# KiCad board SNES_AdvancedFlash_1-2.kicad_pcb (continued)
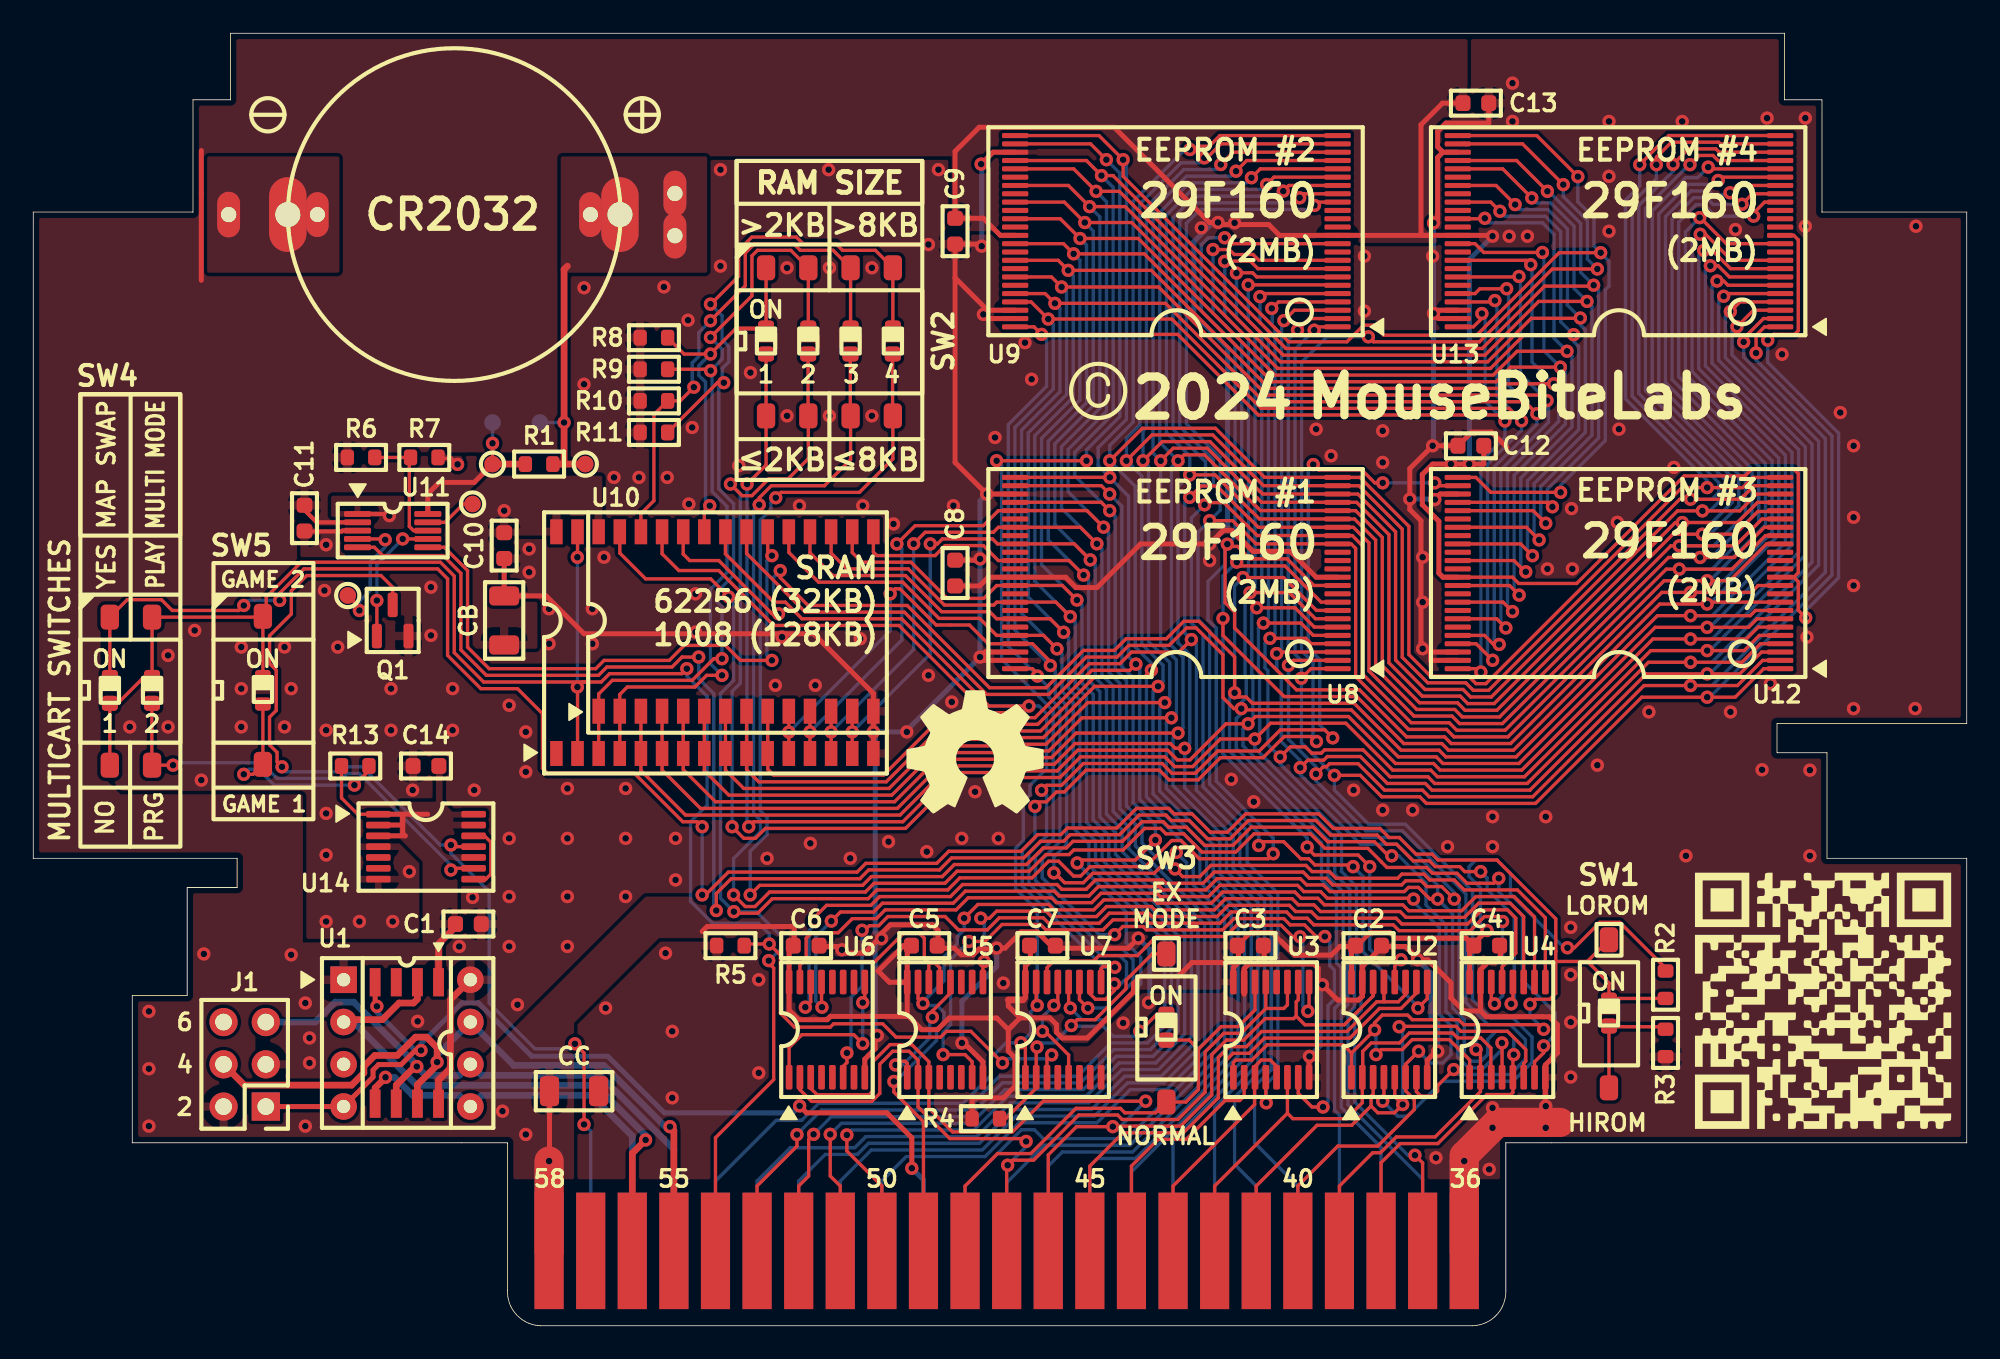
[diagram p0: board, top side]
## Routing (per net, layer and track width the routed paths; a pad name or vN(x,y) marks a point on that pad's centre or on a via; arc(x,y) is an arc through that point) (continued)
/D_{5}: length 165.1
  Top w0.2: 59.01,43.5 61.45,43.5 v1(62.32,42.63) ; v1(47.9,11.51) 47.9,9 48.5,8.4 P1.51 ; U13.40 89.73,64.05 v1(90,63.79) ; U10.19 47.95,46.45 48.9,45.5 52.59,45.5 54.76,43.33 57.72,43.33 57.9,43.5 U8.40 ; U12.40 88.33,43.5 v1(88.9,42.93) ; v1(91.38,56.63) 88.35,56.63 88.08,56.35 74.29,56.35 67.19,63.45 v1(62.2,63.45) 61.6,64.05 U9.40
  Bottom w0.2: v1(88.9,42.93) 88.6,43.23 88.6,51.29 91.68,54.37 91.68,56.33 v1(91.38,56.63) 90.08,57.93 90.08,63.71 v1(90,63.79) ; v1(62.2,63.45) 62.5,63.15 62.5,55.81 60.2,53.51 60.2,44.76 v1(62.32,42.63) 62.62,42.33 62.62,38.47 63.3,37.79 63.3,30.26 64.24,29.32 64.24,28.02 68.8,23.45 68.8,17.7 67.3,16.2 65.1,16.2 63.1,14.2 58.41,14.2 56.37,12.17 48.56,12.17 v1(47.9,11.51)
/D_{6}: length 164.2
  Top w0.2: v1(88.5,41.95) 87.95,42.5 U12.42 ; v1(90.98,55.62) 90.65,55.95 74.12,55.95 67.63,62.45 v1(61.8,62.45) 61.2,63.05 U9.42 ; U8.42 57.9,42.5 57.47,42.92 54.59,42.92 52.42,45.1 48.05,45.1 46.68,46.47 U10.20 ; v1(61.92,41.69) 61.11,42.5 59.01,42.5 ; P1.52 46,8.4 46.6,9 46.6,11.21 v1(46.9,11.51) ; v1(89.29,63.08) 89.26,63.05 U13.42
  Bottom w0.2: v1(88.5,41.95) 88.2,42.25 88.2,51.46 91.07,54.33 91.07,55.53 v1(90.98,55.62) 89.38,57.22 89.38,62.99 v1(89.29,63.08) ; v1(61.8,62.45) 62.1,62.15 62.1,55.98 59.8,53.68 59.8,43.82 v1(61.92,41.69) 62.22,41.39 62.22,38.3 62.9,37.63 62.9,30.09 63.84,29.15 63.84,27.85 68.4,23.29 68.4,17.87 67.13,16.6 64.93,16.6 62.93,14.6 58.24,14.6 56.21,12.57 47.96,12.57 v1(46.9,11.51)
/D_{7}: length 164.1
  Top w0.2: v1(88.55,62.34) 86.94,62.34 86.65,62.05 U13.44 ; U8.44 57.9,41.5 56.88,42.52 54.43,42.52 52.25,44.7 47.2,44.7 45.41,46.49 U10.21 ; U12.44 87.22,41.5 87.76,40.96 v1(88.1,40.96) ; v1(45.9,11.49) 45.9,10.8 43.5,8.4 P1.53 ; 59.01,41.5 60.71,41.5 v1(61.52,40.69) ; U9.44 60.81,62.05 v1(61.4,61.46) 68.05,61.46 73.96,55.55 89.64,55.55 v1(90.37,54.83)
  Bottom w0.2: v1(88.1,40.96) 87.8,41.26 87.8,51.63 90.37,54.19 v1(90.37,54.83) 88.67,56.52 88.67,62.22 v1(88.55,62.34) ; v1(45.9,11.49) 46.2,11.79 46.2,11.8 47.37,12.97 56.04,12.97 58.07,15 62.77,15 64.77,17 66.96,17 68,18.04 68,23.12 63.44,27.68 63.44,28.99 62.5,29.92 62.5,37.46 61.82,38.14 61.82,40.39 v1(61.52,40.69) 59.4,42.82 59.4,53.84 61.7,56.15 61.7,61.16 v1(61.4,61.46)
/FF_{OUT}: length 26.2
  Top w0.2: U14.9 25.2,27.5 v1(25.1,27.4) ; SW4.2 7.12,33.72 SW4.2 v1(8.4,33.7)
  Bottom w0.2: v1(8.4,33.7) 8.55,33.85 13.7,33.85 14.65,32.9 18.55,32.9 18.85,33.2 19.59,33.2 25.1,27.69 v1(25.1,27.4)
/MULTI: length 113.7
  Top w0.2: 60.92,14.92 60.92,16 v1(61.21,16.28) ; 13.8,39.02 SW5.2 13.75,42.6 7.29,42.6 ; U10.2 32.71,38.39 v1(32.7,38.4) 33,38.7 33.25,38.7 ; U10.31 32.71,46.21 v1(32.7,46.2) ; SW4.3 SW4.3 6.63,38.97 5.08,37.42 SW4.1 4.6,34.1 ; 33.25,38.7 34.13,38.7 34.63,39.2 38.98,39.2 v1(39.28,39.5) ; 33.25,38.7 27.07,38.7 25.3,40.47 25.3,45.07 24.47,45.9 16.1,45.9 14,43.8 14,43.35 ; 42.67,22.7 42.92,22.95 v1(44.23,22.95) 44.9,22.28 44.9,18.8 45.75,17.95 47.9,17.95 48.1,18.15 51.05,18.15 51.85,17.35 54.53,17.35 54.88,17.7 56.35,17.7 v1(58.25,15.8)
  Bottom w0.2: v1(32.7,38.4) v1(32.7,46.2) ; v1(39.28,39.5) 39.28,39.06 40.5,37.83 40.5,31.29 39.5,30.29 39.5,25.52 40.82,24.19 43.59,24.19 44.23,23.56 v1(44.23,22.95) ; v1(61.21,16.28) 60.98,16.05 58.5,16.05 v1(58.25,15.8)
/MULTI_{PU}: length 13.7
  Top w0.2: R13.2 20.17,33.38 v1(19.3,32.5) ; RS5.1 SW5.1 13.2,33.15 v1(12.65,33.15)
  Bottom w0.2: v1(19.3,32.5) 14.48,32.5 13.53,33.45 12.95,33.45 v1(12.65,33.15)
/RAM.A_{13}: length 102.6
  Top w0.2: v1(88.08,26.9) 87.78,26.6 86.94,26.6 86.94,26.6 86.16,26.6 85.57,27.2 84.09,27.2 83.74,27.55 81.36,27.55 81.02,27.88 81.02,27.89 80.21,28.7 77.63,28.7 76.76,29.57 73.36,29.57 72.26,28.47 70.24,28.47 69.14,29.57 68.08,29.57 67.75,29.9 66.8,29.9 65.5,28.6 62.53,28.6 62.25,28.33 60.86,28.33 59.86,27.33 55.52,27.33 54.79,26.6 50.54,26.6 50.01,26.07 44.25,26.07 43.38,25.2 42.79,25.2 v1(42.09,25.9) ; v1(43.63,49.35) 43.63,49.77 44.36,50.5 47.55,50.5 49.12,52.07 SW2.3 49.1,54.71 SW2.3 ; v1(90.78,16.83) 90.78,16.41 90.22,15.86 U4.7
  Bottom w0.2: 43.29,49.01 43.29,30.8 43.7,30.39 43.7,29.7 42.09,28.09 v1(42.09,25.9) ; 43.29,49.01 43.6,49.32 ; 43.29,49.01 43.63,49.35 v1(43.63,49.35) ; v1(90.78,16.83) 91.47,17.52 91.47,18.8 89.5,20.78 89.5,24.67 88.08,26.09 v1(88.08,26.9)
/RAM.A_{14}: length 101.2
  Top w0.2: v1(43.09,25.9) 43.66,26.47 49.84,26.47 50.37,27 54.63,27 55.35,27.72 59.69,27.72 60.69,28.72 62.09,28.72 62.49,29.12 65.45,29.12 66.63,30.3 67.91,30.3 68.24,29.97 69.31,29.97 70.41,28.87 72.1,28.87 73.19,29.97 76.92,29.97 77.79,29.1 80.6,29.1 81.45,28.25 v1(81.64,28.25) ; v1(44.62,49.78) 44.95,50.1 49.65,50.1 51.66,52.11 SW2.4 51.64,54.71 SW2.4 ; v1(88.27,17) 88.28,16.99 U4.4
  Bottom w0.2: v1(81.64,28.25) 82.07,28.25 83.7,26.62 83.7,25.3 84.9,24.1 84.9,18.9 85.6,18.2 85.6,16.16 86.25,15.5 87.17,15.5 88.27,16.6 v1(88.27,17) ; v1(44.62,49.78) 44.33,49.48 44.33,49.06 43.69,48.43 43.69,30.97 44.1,30.56 44.1,29.53 43.09,28.52 v1(43.09,25.9)
/RAM.~{CE}: length 104
  Top w0.2: v1(86.99,27.3) 86.03,27.3 85.73,27.6 84.25,27.6 83.9,27.95 82.93,27.95 81.93,28.95 81.32,28.95 80.77,29.5 77.96,29.5 77.09,30.37 73.03,30.37 71.93,29.27 70.57,29.27 69.48,30.37 68.41,30.37 68.08,30.7 66.47,30.7 65.29,29.52 62.32,29.52 61.92,29.12 60.53,29.12 59.53,28.12 55.19,28.12 54.46,27.4 50.2,27.4 49.68,26.87 41.94,26.87 41.05,25.98 v1(41.05,24.96) ; v1(88.82,19.35) 88.92,19.46 U4.12 ; U11.5 20.5,46.8 21,46.3 24.63,46.3 25.7,45.23 25.7,40.63 27.23,39.1 33.97,39.1 34.47,39.6 38.39,39.6 38.99,40.2 v1(39.99,40.2)
  Bottom w0.2: v1(41.05,24.96) 40.9,25.11 40.9,38 39.99,38.91 v1(39.99,40.2) ; v1(88.82,19.35) 89.01,19.54 89.01,24.59 87.38,26.22 87.38,26.91 v1(86.99,27.3)
/RAM.~{CE}_{HI}: length 55.5
  Top w0.2: v1(48.9,16.4) 48.9,15.82 48.67,15.59 48.67,14.92 ; U4.13 88.28,21.58 89.1,22.4 89.1,24.5 88.6,25 87.05,25 86.2,24.15 82.25,24.15 81.9,24.5 77.2,24.5 76.8,24.9 75.87,24.9 75.49,25.27 71.82,25.27 71.15,24.6 67.23,24.6 67.03,24.8 64.67,24.8 64.07,24.2 61.02,24.2 60.7,24.52 58.06,24.52 57.33,23.8 55.6,23.8 54.8,24.6 51.36,24.6 50.81,24.05 50.25,24.05 49.97,23.77 v1(49.81,23.77)
  Bottom w0.2: v1(49.81,23.77) 49.81,20.41 49.15,19.75 49.15,16.65 v1(48.9,16.4)
/RAM.~{CE}_{LO}: length 51
  Top w0.2: v1(54.68,16.3) 56,16.3 56.42,15.88 56.42,14.92 ; v1(87.82,19.35) 87.62,19.54 U4.14 ; v1(56.23,23.1) 57.2,23.1 58.22,24.12 60.53,24.12 60.86,23.8 64.29,23.8 64.89,24.4 66.87,24.4 67.07,24.2 71.32,24.2 71.99,24.88 75.32,24.88 75.7,24.5 76.57,24.5 76.97,24.1 81.73,24.1 82.08,23.75 86.37,23.75 87.22,24.6 88.01,24.6 v1(88.31,24.3)
  Bottom w0.2: v1(56.23,23.1) 55.13,22.01 55.13,18.09 54.68,17.64 v1(54.68,16.3) ; v1(88.31,24.3) 88.31,19.84 v1(87.82,19.35)
/RAM/A_{11SW}: length 23.9
  Top w0.2: v1(40.66,49.3) 40.33,48.97 U10.25 ; SW2.8 42.25,59.97 42.2,59.93 ; SW2.8 SW2.8 ; SW2.8 43.99,59.93 42.2,59.93 ; 42.2,59.93 40.7,58.43 v1(40.7,58.42) 39.11,58.42 R8.2 38.07,59.4
  Bottom w0.2: v1(40.66,49.3) 40.4,49.55 40.4,56.73 40,57.13 40,57.72 v1(40.7,58.42)
/RAM/A_{12SW}: length 48.4
  Top w0.2: U10.4 U10.4 35.25,37.95 35.7,38.4 39.77,38.4 40.47,39.1 v1(41.39,39.1) ; SW2.7 SW2.7 45.53,64.65 43.52,64.65 43.19,64.32 43.19,61.92 40.7,59.43 v1(40.7,59.42) ; v1(40.71,57.42) 40.62,57.5 38.07,57.5
  Bottom w0.2: v1(41.39,39.1) 40.69,39.8 40.69,44.28 41.69,45.28 41.69,49.25 40.8,50.14 40.8,57.32 v1(40.71,57.42) 41.4,58.11 41.4,58.71 40.7,59.41 v1(40.7,59.42)
/RAM/A_{13SW}: length 30.7
  Top w0.2: v1(39.7,56.42) 38.88,55.6 R10.2 37.3,54.77 37.3,49.6 36.52,48.82 U10.28 ; v1(40.7,60.42) 40.7,60.43 42.79,62.52 42.79,64.49 43.35,65.05 45.7,65.05 46.1,64.65 48.07,64.65 SW2.6 SW2.6
  Bottom w0.2: v1(39.7,56.42) 39.6,56.52 39.6,57.88 40,58.28 40,59.71 40.7,60.41 v1(40.7,60.42)
/RAM/A_{14SW}: length 57.5
  Top w0.2: v1(40.7,61.42) 40.88,61.6 40.9,61.6 42.39,63.09 42.39,64.65 43.19,65.45 45.86,65.45 46.26,65.05 48.24,65.05 48.64,64.65 50.61,64.65 SW2.5 SW2.5 ; v1(41.5,56.69) 41.12,56.69 R11.2 38.07,53.7 ; U10.3 U10.3 33.98,37.98 34.8,38.8 39.6,38.8 40.9,40.1 v1(41.39,40.1)
  Bottom w0.2: v1(41.39,40.1) 41.39,43.23 41.09,43.53 41.09,44.11 42.09,45.11 42.09,49.42 41.2,50.31 41.2,56.39 v1(41.5,56.69) 41.41,56.78 41.41,57.55 41.8,57.94 41.8,58.87 41.4,59.27 41.4,60.72 v1(40.7,61.42)
/RAM/RAM.~{CE}_{G}: length 35.4
  Top w0.2: U10.22 44.14,46.55 v1(44.39,46.29) ; U11.6 24.7,46.8 26.1,45.4 26.1,40.8 27.4,39.5 33.8,39.5 34.3,40 38.22,40 39.12,40.9 41.6,40.9 42.5,40 v1(44.39,40)
  Bottom w0.2: v1(44.39,46.29) 44.09,45.99 44.09,40.3 v1(44.39,40)
/ROM.BA_{7}: length 22.4
  Top w0.2: 58.32,12.45 58.44,12.45 60.28,14.28 60.28,16.7 v1(60.32,16.75) ; v1(66.5,17.7) 67.53,18.72 68.1,18.72 ; v1(62.39,18.05) 62.74,18.4 63.81,18.4 65.67,20.26 65.67,20.77 67.25,22.35 SW3.2
  Bottom w0.2: v1(66.5,17.7) 66.2,17.4 64.9,17.4 64.3,18 62.44,18 v1(62.39,18.05) ; 62.65,18 62.6,18.05 v1(62.39,18.05) ; v1(62.39,18.05) 61.34,17 60.57,17 v1(60.32,16.75)
/ROM.~{OE}: length 154.3
  Top w0.2: v1(68.62,27.46) 69.07,27 70.1,27 70.78,27.67 76.48,27.67 76.86,27.3 77.9,27.3 78.3,26.9 82,26.9 82.25,27.15 83.57,27.15 83.92,26.8 85.4,26.8 86,26.2 89.2,26.2 90.88,24.52 U4.9 ; U12.28 91.03,49.5 v1(91.3,49.23) ; v1(64.69,49) 64.19,49.5 59.01,49.5 ; v1(91,68.2) 89.15,70.05 U13.28 ; v1(93.78,62.55) 93.72,62.5 90.83,62.5 87.08,58.75 75.28,58.75 74.9,59.13 64.9,69.13 64.9,69.14 v1(64.2,69.14) 63.29,70.05 U9.28
  Bottom w0.2: v1(91,68.2) 91.07,68.2 93,66.27 93,63.33 v1(93.78,62.55) 94.08,62.25 94.08,53.38 91,50.3 91,49.53 v1(91.3,49.23) ; v1(68.62,27.46) 68.19,27.46 66.64,29.01 66.64,30.31 65.7,31.25 65.7,38.79 65.02,39.46 65.02,48.66 v1(64.69,49) 62.6,51.09 62.6,52.52 64.9,54.82 64.9,68.44 v1(64.2,69.14)
/ROM/~{CE1}: length 49
  Top w0.2: 59.01,50.5 64.19,50.5 v1(64.69,50) ; v1(62.74,27.82) 62.92,28 66.24,28 v1(67.44,29.2) ; 62.22,20.65 62.22,19.2 v1(62.33,19.1)
  Bottom w0.2: v1(67.44,29.2) 67.44,30.11 66.1,31.45 66.1,38.95 65.42,39.63 65.42,49.27 v1(64.69,50) ; v1(62.33,19.1) 63.03,18.4 64.4,18.4 66.56,20.56 66.56,22.14 65.69,23.01 65.69,24.87 v1(62.74,27.82)
/ROM/~{CE2}: length 71.9
  Top w0.2: v1(63.38,19.1) 62.88,19.6 62.88,20.65 ; U9.26 63.54,71.05 v1(64.49,70.1) ; v1(57.9,52) v1(63.3,52)
  Bottom w0.2: v1(63.38,19.1) 64.51,19.1 66.1,20.69 66.1,22.01 65.46,22.65 64.36,22.65 60.24,26.77 60.24,28.21 61.3,29.27 61.3,36.96 58.2,40.07 58.2,51.7 v1(57.9,52) ; v1(63.3,52) 63.3,52.65 65.3,54.66 65.3,69.29 v1(64.49,70.1)
/ROM/~{CE3}: length 64.8
  Top w0.2: 63.53,20.65 63.53,19.94 63.84,19.62 64.44,19.62 64.97,20.16 v1(64.97,20.55) ; v1(60.6,32.19) 60.9,32.49 61.8,32.49 63.11,33.8 67.84,33.8 68.43,33.21 69.85,33.21 71.18,34.55 73.68,34.55 74.95,35.82 77.62,35.82 v1(78.1,35.34) ; v1(76.93,51.77) 77.25,51.45 79.85,51.45 80.63,50.67 v1(81.1,50.67) ; v1(84.23,50.67) 84.4,50.5 U12.26
  Bottom w0.2: v1(78.1,35.34) 77.31,36.12 77.31,40.05 76.63,40.74 76.63,51.47 v1(76.93,51.77) ; v1(60.6,32.19) 60.9,31.89 60.9,29.44 59.84,28.37 59.84,26.6 64.19,22.25 65.29,22.25 65.7,21.84 65.7,20.9 65.35,20.55 v1(64.97,20.55) ; v1(81.1,50.67) v1(84.23,50.67)
/ROM/~{CE4}: length 90.7
  Top w0.2: v1(91.95,68.6) 89.5,71.05 U13.26 ; v1(80.24,59.45) 80.54,59.15 86.92,59.15 91.29,63.53 v1(94,63.53) ; v1(77.12,35.12) 76.82,35.42 75.18,35.42 73.91,34.15 71.35,34.15 70.01,32.81 68.26,32.81 67.68,33.4 63.27,33.4 61.96,32.09 61.49,32.09 60.89,31.49 60.31,31.49 60.2,31.38 v1(60.2,31.22) ; 86.1,71 86,71.1 ; v1(65,21.55) 64.85,21.55 64.8,21.6 64.3,21.6 64.17,21.47 64.17,20.65
  Bottom w0.2: v1(77.12,35.12) 76.91,35.33 76.91,39.89 76.23,40.57 76.23,57.93 77.75,59.45 v1(80.24,59.45) ; v1(94,63.53) 93.4,64.13 93.4,66.43 91.95,67.88 v1(91.95,68.6) ; v1(65,21.55) 64.32,21.55 59.44,26.44 59.44,28.54 60.2,29.3 v1(60.2,31.22)
/SW_{HL}: length 164
  Top w0.2: v1(40.2,25.9) 40.4,25.9 41.77,27.27 49.51,27.27 50.04,27.8 54.3,27.8 55.02,28.52 59.36,28.52 60.36,29.52 61.76,29.52 62.15,29.92 65.12,29.92 66.3,31.1 68.24,31.1 68.57,30.77 69.64,30.77 70.74,29.67 71.77,29.67 72.86,30.77 77.25,30.77 78.13,29.9 80.93,29.9 81.48,29.35 82.1,29.35 83.1,28.35 84.07,28.35 84.42,28 87.97,28 91.5,24.46 91.5,22.5 91.5,22.5 91.5,21.9 ; v1(14.81,43.6) 14.81,44.04 16.27,45.5 24.3,45.5 24.9,44.9 24.9,40.3 26.9,38.3 29.1,38.3 30.6,36.8 30.6,33.52 30.92,33.2 36.13,33.2 39.03,30.3 39.9,30.3 v1(40.2,30) ; 98,19.67 94.7,19.67 94.6,19.58 ; 91.5,21.9 93.4,21.9 ; 91.5,21.9 91.5,19.98 91.14,19.62 90.25,19.62 v1(89.96,19.33) ; 79.22,16.39 U2.1 ; 79.22,16.39 80.61,17.78 v1(80.61,17.79) 80.61,18.21 81.07,18.67 82.6,18.67 82.87,18.4 85.66,18.4 85.96,18.1 90.5,18.1 v1(90.77,17.83) ; 79.22,16.39 78.73,16.89 74.16,16.89 73.24,15.97 72.28,15.97 72.12,15.83 U3.1 ; v1(80.7,16.3) 81,16.6 82.27,16.6 82.87,17.2 85.1,17.2 86.32,15.97 U4.1 ; 93.4,21.9 94.7,20.6 94.7,19.72 94.6,19.62 ; 93.4,21.9 94.6,23.1 94.6,23.2 ; 4.75,42.45 4.75,42.6 ; v1(12.65,43.3) 12.35,43 8.35,43 7.7,43.65 5.65,43.65 SW4.4 4.6,39.02
  Bottom w0.2: v1(14.81,43.6) 12.95,43.6 v1(12.65,43.3) ; v1(80.61,17.79) 80.7,17.7 v1(80.7,16.3) ; v1(90.77,17.83) 89.96,18.64 v1(89.96,19.33) ; v1(40.2,25.9) v1(40.2,30)
/SW_{PD}: length 7.1
  Top w0.2: 94.6,14.3 94.7,14.4 RS1.2 97.85,17.97 98,17.83
/~{IRQ}: length 58.3
  Top w0.3: J1.1 18.64,13.17 U1B1.4 20.42,14.95 20.42,15.37 20.75,15.7 22.11,15.7 22.96,16.55 v1(23.3,16.55) ; v1(52.8,9.47) 52.8,11.3 51.3,12.8 46.47,12.8 v1(46.06,13.21) ; v1(20.65,19.2) 20.54,19.31 U1A1.4
  Bottom w0.3: v1(20.65,19.2) 20.65,18.85 23.13,16.37 v1(23.3,16.55) 23.3,16.95 25.76,19.41 26.75,19.41 29.96,16.2 34.53,16.2 37.93,12.8 45.64,12.8 v1(46.06,13.21) ; P1.18 53.5,8.77 v1(52.8,9.47)
/~{RD}: length 76.3
  Top w0.2: v1(59.84,37.26) 57.44,37.26 52.19,42.5 46.2,42.5 45.2,43.5 44.5,43.5 41.6,46.4 U10.24 ; 59.62,14.92 59.62,16.74 v1(59.36,17.01) ; 60.28,20.65 60.28,19.32 v1(60.34,19.26)
  Bottom w0.2: v1(59.84,37.26) 60.44,37.26 60.9,36.8 60.9,33.48 59.9,32.48 59.9,31.91 59.5,31.51 59.5,29.17 59.04,28.7 59.04,26.27 60.34,24.97 v1(60.34,19.26) 59.95,18.87 59.95,17.6 v1(59.36,17.01) 58.47,17.01 57.55,16.09 57.55,15.04 55.88,13.37 47.2,13.37 46.18,12.35 44.65,12.35 41,8.7 P1.23
/~{RESET}: length 63.1
  Top w0.2: U14.11 25.2,28.8 v1(25.1,28.9) ; v1(14.95,33.6) 14.65,33.9 14.65,34.47 14.2,34.92 14.2,36.59 14.6,36.99 14.6,39.41 14.2,39.81 14.2,41.48 15.51,42.79 15.51,44.18 16.43,45.1 20.9,45.1 21.6,44.4 Q1.3 ; v1(33.1,12.1) 33.1,16.4 v1(32.55,16.95)
  Bottom w0.2: v1(14.95,33.6) 14.95,33.55 15.2,33.3 18.38,33.3 18.68,33.6 19.76,33.6 24.46,28.9 v1(25.1,28.9) 25.1,28.4 27.4,26.1 27.4,19.39 30.14,16.65 32.25,16.65 v1(32.55,16.95) ; v1(33.1,12.1) 33.5,11.7 P1.26
/~{ROMSEL}: length 66.2
  Top w0.2: v1(53.47,19.37) 53.17,19.66 53.17,20.65 ; U4.10 90.22,24.58 89,25.8 86.7,25.8 85.85,24.95 82.66,24.95 82.31,25.3 77.6,25.3 77.2,25.7 76.2,25.7 75.82,26.08 71.47,26.08 70.8,25.4 67.56,25.4 67.36,25.6 64.34,25.6 63.74,25 61.35,25 61.03,25.33 56.77,25.33 v1(55.95,24.5) ; P1.49 53.5,12.27 51.72,14.05 v1(51.72,14.68)
  Bottom w0.2: 53.47,19.47 53.47,19.25 54.32,19.25 54.73,18.84 54.73,18.26 54.28,17.81 54.28,17.15 51.9,14.77 51.81,14.77 v1(51.72,14.68) ; 53.47,19.47 v1(53.47,19.37) ; 53.47,19.47 54.73,20.73 54.73,22.17 55.53,22.97 55.53,23.39 55.94,23.8 55.95,23.8 v1(55.95,24.5)
/~{ROMSEL}_{LO}: length 42.7
  Top w0.2: U4.11 89.57,24.59 88.77,25.4 86.87,25.4 86.02,24.55 82.5,24.55 82.15,24.9 77.37,24.9 76.97,25.3 76.03,25.3 75.66,25.67 71.66,25.67 70.98,25 67.4,25 67.2,25.2 64.5,25.2 63.9,24.6 61.19,24.6 60.86,24.92 57.89,24.92 57.47,24.5 v1(56.95,24.5) ; v1(57.15,21.9) 57.07,21.83 57.07,20.65
  Bottom w0.2: v1(56.95,24.5) 57.05,24.5 57.15,24.4 v1(57.15,21.9)
/~{WR}: length 222.9
  Top w0.2: U10.29 35.25,46.45 36.8,44.9 40.71,44.9 v1(41.79,43.82) ; U9.11 72.1,65.05 71.74,65.41 v1(71.61,65.41) 71.4,65.61 ; v1(100.15,66.62) 100.18,66.62 101.75,65.05 U13.11 ; 78.39,44.5 76.96,44.5 75.36,46.1 73.12,46.1 72.37,46.85 71.9,46.85 v1(71.76,46.99) 71.63,46.85 71.63,43.47 72.2,42.9 72.2,41.95 75.92,38.23 79.71,38.23 82.53,35.4 84.82,35.4 85.22,35 88.79,35 97.88,44.09 103.25,44.09 103.66,44.5 U12.11 ; v1(74.52,28.37) 74.22,28.07 70.08,28.07 68.98,29.17 68.42,29.17 66.85,27.6 63.51,27.6 62.94,27.03 62.52,27.03 61.63,27.92 61.03,27.92 60.03,26.92 55.69,26.92 54.96,26.2 50.7,26.2 50.17,25.67 44.42,25.67 43.54,24.8 42.2,24.8 v1(42.1,24.89) ; v1(44.2,21.95) 44.4,21.75 44.4,21.6 44.5,21.5 44.5,14.8 41,11.3 P1.54
  Bottom w0.2: v1(74.52,28.37) 74.52,29.31 71.1,32.73 71.1,41.93 70.6,42.43 70.6,44.74 71.63,45.77 71.63,46.85 v1(71.76,46.99) 72.23,47.45 72.23,58.98 70.2,61.01 70.2,64.99 70.62,65.41 v1(71.61,65.41) ; v1(41.79,43.82) 42.09,43.52 42.09,38.79 41.3,38 41.3,25.7 v1(42.1,24.89) 43.46,24.89 44.93,23.42 44.93,22.66 44.22,21.95 v1(44.2,21.95) ; v1(100.15,66.62) 99.29,65.76 99.29,57.21 104.5,52 104.5,47.7 101.3,44.5 101.3,44.5 100.89,44.09 v1(99.6,44.09)
Net-(B1-+): length 18.3
  Top w0.4: TP1.1 31.38,51.8 31.9,51.8 v1(31.9,54.3) 31.9,63.5 32.1,63.7
  Bottom w0.2: B1.1 B1.1 ; TP3.1 v1(31.9,54.3)
Net-(Q1-G): length 8
  Top w0.2: v1(20.65,43.6) Q1.1 ; v1(22.2,47.3) U11.7
  Bottom w0.2: v1(22.2,47.3) 20.65,45.75 v1(20.65,43.6)
Net-(U5A-E): length 8.3
  Top w0.2: v1(54.03,18.55) 54.03,18.92 55.12,20.01 55.12,20.65 ; v1(51.82,15.68) 52.04,15.9 52.4,15.9 52.53,15.77 U5.1 52.53,14.92
  Bottom w0.2: v1(51.82,15.68) 52.25,15.68 53.88,17.31 53.88,18.4 v1(54.03,18.55)
Net-(U6A-E): length 10.5
  Top w0.2: v1(49.85,16.96) 49.31,17.5 46.2,17.5 45.42,16.72 45.42,14.92 ; v1(49.85,19.42) 49.97,19.55 49.97,20.65
  Bottom w0.2: v1(49.85,19.42) v1(49.85,16.96)
Net-(U7A-O1): length 6.8
  Top w0.2: 61.57,20.65 61.57,19.49 v1(61.34,19.26) ; v1(60.65,17.7) 60.8,17.7 62.22,16.27 62.22,14.92
  Bottom w0.2: v1(61.34,19.26) 60.65,18.57 v1(60.65,17.7)
Net-(U11-SENSE): length 7.5
  Top w0.2: 20.47,52.15 R6.2 22.6,52.2 22.6,48.05 22.85,47.8 U11.8
Net-(U11-~{MR}): length 7.8
  Top w0.2: U11.4 21.1,47.3 v1(21.15,47.25) ; v1(19.6,43) 19.6,43.2 TP5.1
  Bottom w0.2: v1(19.6,43) 19.6,43.55 20.25,44.2 20.25,45.92 21.15,46.82 v1(21.15,47.25)
Net-(U11-~{RESET}): length 3.1
  Top w0.2: U11.9 24.75,48.3 25.85,49.4 TP6.1
Net-(U14B-D): length 4.3
  Top w0.2: U14.12 27.12,29.45 27.5,29.07 27.5,27.15 27.2,26.85 U14.8

## Copper pours and planes (outline as drawn; the poured copper is in the pictures)
+5V on Top: 32.5,8.8 32.5,18.2 37.6,23.3 44.3,23.3 44.3,22.9 44.9,22.3 44.9,18.8 45.7,18 47.9,18 48.1,18.2 51,18.2 51.9,17.3 54.5,17.3 54.9,17.7 56.3,17.7 58,16 58,14.7 57.4,14.1 53.9,14.1 53.9,13 55.2,11.7 57.4,11.7 57.4,12.6 58.1,13.3 59.4,13.3 60.4,14.3 60.4,17 63.35,17 66.55,20.2 72.5,20.2 72.5,21.2 73.1,21.8 73.1,23.1 73.4,23.4 74.4,23.4 75.8,22 79.9,22 80.4,22.5 80.4,23.4 81.5,23.4 81.8,23.1 85.8,23.1 85.8,19.6 87,19.6 87,21.5 87.4,21.9 87.9,21.9 87.4,22.2 87.4,23.7 86.5,24.6 69.4,24.6 67.7,23.6 66.3,22.2 64.1,22.2 63.7,21.8 61.3,21.8 60.9,22.2 60.9,23 60.5,23.4 59,23.4 59,19.8 53.5,19.8 53.5,23.2 53.2,23.5 52.3,23.5 50.7,21.9 50.1,21.9 50.1,20 46.5,20 46.5,23.2 47.2,23.9 47.2,25.7 44.4,25.7 43.5,24.8 41.3,24.8 41,25.1 41,26.5 40.3,25.8 36.8,25.8 24.25,13.25 13.35,13.25 13.35,17.65 14.25,18.55 18.65,18.55 24.6,20.3 24.6,23.05 16.2,23.05 16.2,31.95 5.25,31.95 4.05,33.15 4.05,43.15 5.1,43.15 5.65,43.65 7.7,43.65 8.65,42.7 13.45,42.7 14.35,43.8 15.85,45.2 15.85,48.1 19.5,48.1 19.5,48.6 17.9,48.6 17.9,49.9 22.6,49.9 22.6,52.5 31.7,52.5 31.7,70.3 55.2,70.3 55.2,65.8 57.7,65.8 57.7,65 59.3,65 59.3,71.5 64.1,71.5 65.5,70.1 65.5,69.1 70.4,64.2 72.1,65.1 86.6,65.1 87.2,64.5 91.1,64.5 91.1,69 86.2,69.1 86.2,77.8 11.9,77.9 -0.4,66.95 -0.4,28.1 5.9,11 28.5,8.8
+5V on Top: 52.8,45.9 55,43.7 57.1,43.7 57.9,44.5 61.8,44.5 62.7,43.6 60.3,38.9 60.3,38.4 62.2,38.4 65.8,41.2 69.7,41.2 69.65,41.95 71.6,41.1 71.6,46.4 72,46.8 72.4,46.8 73.1,46.1 75.4,46.1 77,44.5 79.5,44.5 79.5,51 72.8,51 69.5,52.8 65.4,52.8 64.7,52 64.7,49.1 63.9,47 54.8,47 54.1,46.4 52.8,46.4
+5V on Top: 24.6,33.9 24.6,31.5 25.2,30.9 26.6,30.9 26.6,30.6 25.8,30.6 25.8,29.6 27.1,29.6 27.1,27.9 25.5,26.8 25.5,24.1 24.4,23 23.4,23 23.4,27.9 22,29.3 22,31.5 24.2,31.5 24.2,33.9
+5V on Bottom: 73.7,67.1 72,65.4 70.9,65.4 70.9,62.6 72.6,60.9 72.6,43.9 70,43.9 70,47.7 71.3,49 71.3,52.2 69.3,54.2 69.3,66.2 70.2,67.1
+5V on Bottom: 18.9,23.05 18.9,18.55 12.95,18.55 12.95,13.1 25.6,13.1 25.6,13.85 32.5,13.85 32.5,8.8 28.5,8.8 5.9,11 5.9,19.9 9.3,23.05
+5V on Bottom: 84.5,51.1 87,51.1 87,51.9 88.5,53.4 88.5,54.4 87.2,55.7 87.2,60.8 91.4,64.7 91.4,65.7 90.8,66.3 87.2,66.3 85.6,64.7 85.6,54 84.5,52.9
GND on Top: 10.4,70.3 10.4,63.3 18.4,63.3 18.4,70.3
GND on Top: 11.9,77.9 105.3,77.8 116.2,66.95 116.3,36.2 116.2,11 88.5,8.8 28.5,8.8 5.9,11 -0.4,28.1 -0.4,66.95
GND on Bottom: 11.6,77.8 105.3,77.7 116.2,66.95 116.2,11 88.5,8.8 28.5,8.8 5.9,11 -0.4,28.1 -0.4,66.95
+BATT on Top: 28.07,52.3 22.6,52.3 22.6,48.5 24.5,48.5 27.3,51.3 28.07,51.3
+VSW on Top: 17.9,49.9 22.5,49.9 22.5,47.9 17.9,47.9
+VSW on Top: 30.3,43.8 30.3,40.7 25.7,40.7 25.7,45.7 24.6,46.8 24.6,48.8 25.7,49.8 27,51.1 34.2,51.1 34.2,47.5 28.3,47.5 28.3,43.8
+VSW on Bottom: 29.1,49.5 29.1,47.9 20.2,47.9 20.2,49.5
Net-(B1-+) on Top: 31.7,70.3 31.7,63.3 40.5,63.3 40.5,70.3

## Text on the board
B.Mask: - | + | SUPPORT ALL ORIGINAL CREATORS!!
B.Silkscreen: 27 | 5 | 25 | 20 | 15 | 10
F.Mask: THIS SIDE FACES BACK OF SNES | SNES-8XJ4D-01A | v1.2 | SNES ADVANCED FLASH CARTRIDGE
F.Silkscreen: PLAY | MULTI MODE | GAME 2 | GAME 1 | U1 | 58 | 36 | 6 | 4 | 2 | NORMAL | EX / MODE | LOROM | HIROM | 55 | 50 | 45 | 40 | NO | MAP SWAP | YES | PRG | MULTICART SWITCHES | >2KB | ≤2KB | >8KB | ≤8KB | SRAM / 62256 (32KB) / 1008 (128KB) | EEPROM #2 / (2MB) | EEPROM #1 / (2MB) | EEPROM #4 / (2MB) | EEPROM #3 / (2MB) | RAM SIZE | CR2032 | 29F160 | MouseBiteLabs | 2024
